# Altium PCB 智能马桶综合检测台_数据板V1.0.PcbDoc (part 4 of 8)
Units mil, origin at the board's own origin, x right, y up, seen from the top; angles counter-clockwise.
Board outline 5580 x 4007.36 mil, 2 copper layers (Top Layer, Bottom Layer); 109 components, 92 nets, 426 pads, 50 vias.
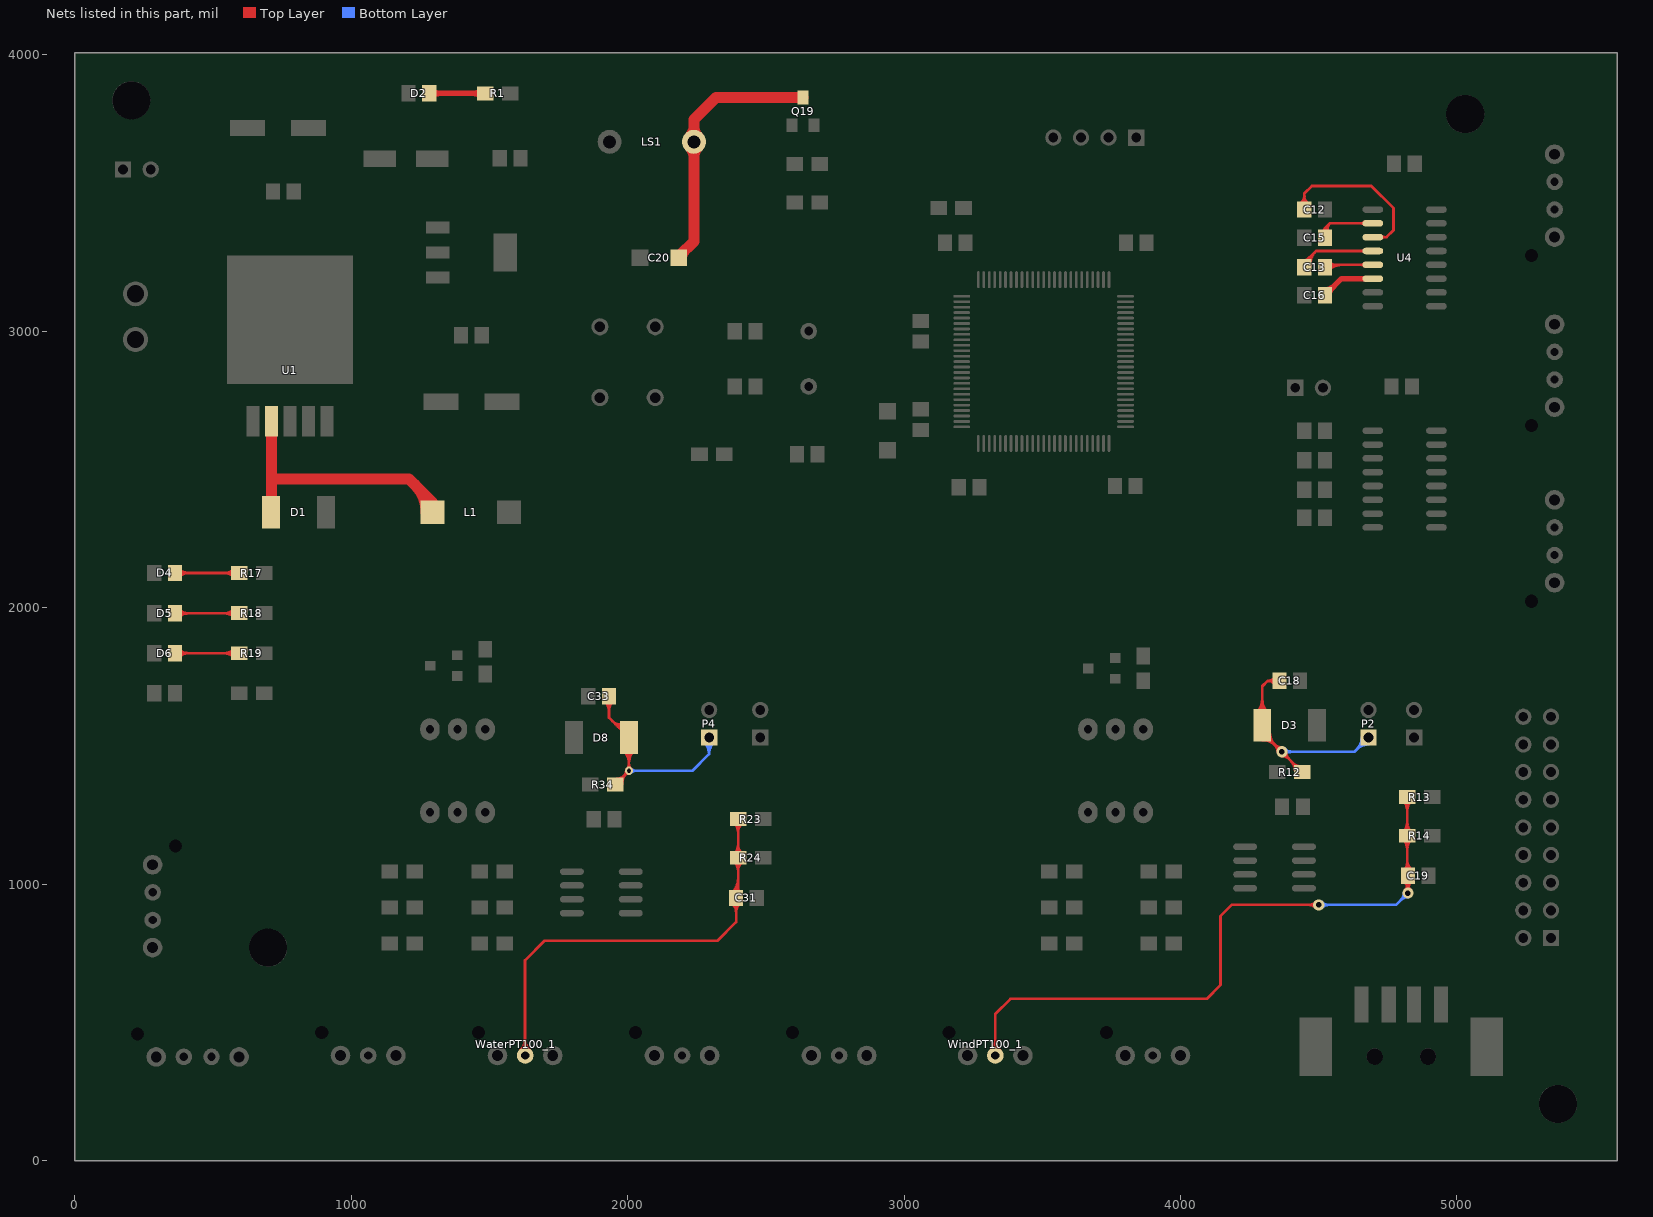
[diagram p4: the nets of this part, all layers, seen from the top]

## Via types
v1: diameter 30, hole 15, Top Layer to Bottom Layer, 31 vias
v2: diameter 40, hole 20, Top Layer to Bottom Layer, 19 vias

## Nets (pads, with @x,y where several pads share a name; then routed paths per layer and width w, separated by ;. In a path a pad name is that pad's centre, name@x,y a point inside that pad or via, vN(x,y) a via of type N, cw(c..) or ccw(c..) an arc to the next point about the centre after c; other vN are vias at no path point) (continued)
NetC12_2: C12.2 U4.3 | length 1212.7
  Top Layer w10: C12.2@4447.6,3440 4447.6,3497.6 4475,3525 4690,3525 4770,3445 4770,3365 4745,3340 U4.3@4695.63,3340 ; C12.2@4433.04,3458.5 ccw(c4397.89,3493.65) 4447.6,3493.65 ; C12.2@4433.04,3458.5 ccw(c4397.89,3493.65) 4447.6,3493.65 ; C12.2@4433.04,3458.5 ccw(c4397.89,3493.65) 4447.6,3493.65 ; C12.2@4433.04,3458.5 ccw(c4397.89,3493.65) 4447.6,3493.65 ; C12.2@4433.04,3458.5 ccw(c4397.89,3493.65) 4447.6,3493.65 ; C12.2@4433.04,3458.5 ccw(c4397.89,3493.65) 4447.6,3493.65 ; 4447.6,3493.65 ccw(c4497.31,3493.65) C12.2@4462.16,3458.5 ; 4447.6,3493.65 ccw(c4497.31,3493.65) C12.2@4462.16,3458.5 ; 4447.6,3493.65 ccw(c4497.31,3493.65) C12.2@4462.16,3458.5 ; 4447.6,3493.65 ccw(c4497.31,3493.65) C12.2@4462.16,3458.5 ; 4447.6,3493.65 ccw(c4497.31,3493.65) C12.2@4462.16,3458.5 ; 4447.6,3493.65 ccw(c4497.31,3493.65) C12.2@4462.16,3458.5 ; U4.3@4726.04,3335.18 cw(c4737.66,3323.56) 4737.66,3340 ; U4.3@4726.04,3335.18 cw(c4737.66,3323.56) 4737.66,3340 ; U4.3@4726.04,3335.18 cw(c4737.66,3323.56) 4737.66,3340 ; U4.3@4726.04,3335.18 cw(c4737.66,3323.56) 4737.66,3340 ; U4.3@4726.04,3335.18 cw(c4737.66,3323.56) 4737.66,3340 ; U4.3@4726.04,3335.18 cw(c4737.66,3323.56) 4737.66,3340 ; U4.3@4726.04,3344.82 ccw(c4737.66,3356.44) 4737.66,3340 ; U4.3@4726.04,3344.82 ccw(c4737.66,3356.44) 4737.66,3340 ; U4.3@4726.04,3344.82 ccw(c4737.66,3356.44) 4737.66,3340 ; U4.3@4726.04,3344.82 ccw(c4737.66,3356.44) 4737.66,3340 ; U4.3@4726.04,3344.82 ccw(c4737.66,3356.44) 4737.66,3340 ; U4.3@4726.04,3344.82 ccw(c4737.66,3356.44) 4737.66,3340
NetC13_1: C13.1 U4.4 | length 1158.1
  Top Layer w10: C13.1@4447.6,3216.67 4447.6,3247.6 4490,3290 ; U4.4@4695.63,3290 4490,3290 ; C13.1@4447.6,3256.19 ccw(c4447.6,3276.95) 4462.27,3262.27 ; C13.1@4447.6,3256.19 ccw(c4447.6,3276.95) 4462.27,3262.27 ; C13.1@4447.6,3256.19 ccw(c4447.6,3276.95) 4462.27,3262.27 ; C13.1@4447.6,3256.19 ccw(c4447.6,3276.95) 4462.27,3262.27 ; C13.1@4447.6,3256.19 ccw(c4447.6,3276.95) 4462.27,3262.27 ; C13.1@4447.6,3256.19 ccw(c4447.6,3276.95) 4462.27,3262.27 ; C13.1@4458.19,3235.79 cw(c4509.98,3236.72) 4473.35,3273.35 ; C13.1@4458.19,3235.79 cw(c4509.98,3236.72) 4473.35,3273.35 ; C13.1@4458.19,3235.79 cw(c4509.98,3236.72) 4473.35,3273.35 ; C13.1@4458.19,3235.79 cw(c4509.98,3236.72) 4473.35,3273.35 ; C13.1@4458.19,3235.79 cw(c4509.98,3236.72) 4473.35,3273.35 ; C13.1@4458.19,3235.79 cw(c4509.98,3236.72) 4473.35,3273.35 ; C13.1@4468.19,3235.97 cw(c4542.69,3237.31) 4490,3290 ; C13.1@4468.19,3235.97 cw(c4542.69,3237.31) 4490,3290 ; C13.1@4468.19,3235.97 cw(c4542.69,3237.31) 4490,3290 ; C13.1@4468.19,3235.97 cw(c4542.69,3237.31) 4490,3290 ; C13.1@4468.19,3235.97 cw(c4542.69,3237.31) 4490,3290 ; C13.1@4468.19,3235.97 cw(c4542.69,3237.31) 4490,3290 ; 4653.6,3290 cw(c4653.6,3273.56) U4.4@4665.22,3285.18 ; 4653.6,3290 ccw(c4653.6,3306.44) U4.4@4665.22,3294.82 ; 4653.6,3290 ccw(c4653.6,3306.44) U4.4@4665.22,3294.82 ; 4653.6,3290 cw(c4653.6,3273.56) U4.4@4665.22,3285.18 ; 4653.6,3290 ccw(c4653.6,3306.44) U4.4@4665.22,3294.82 ; 4653.6,3290 cw(c4653.6,3273.56) U4.4@4665.22,3285.18 ; 4653.6,3290 ccw(c4653.6,3306.44) U4.4@4665.22,3294.82 ; 4653.6,3290 cw(c4653.6,3273.56) U4.4@4665.22,3285.18 ; 4653.6,3290 ccw(c4653.6,3306.44) U4.4@4665.22,3294.82 ; 4653.6,3290 cw(c4653.6,3273.56) U4.4@4665.22,3285.18 ; 4653.6,3290 ccw(c4653.6,3306.44) U4.4@4665.22,3294.82 ; 4653.6,3290 cw(c4653.6,3273.56) U4.4@4665.22,3285.18
NetC13_2: C13.2 U4.5 | length 975.3
  Top Layer w10: C13.2@4535,3240 U4.5@4695.63,3240 ; C13.2@4529.89,3228.11 cw(c4558.58,3199.42) 4558.58,3240 ; C13.2@4529.89,3228.11 cw(c4558.58,3199.42) 4558.58,3240 ; C13.2@4529.89,3228.11 cw(c4558.58,3199.42) 4558.58,3240 ; C13.2@4529.89,3228.11 cw(c4558.58,3199.42) 4558.58,3240 ; C13.2@4529.89,3228.11 cw(c4558.58,3199.42) 4558.58,3240 ; C13.2@4529.89,3228.11 cw(c4558.58,3199.42) 4558.58,3240 ; C13.2@4536.96,3221.04 cw(c4582.73,3175.28) 4582.73,3240 ; C13.2@4536.96,3221.04 cw(c4582.73,3175.28) 4582.73,3240 ; C13.2@4536.96,3221.04 cw(c4582.73,3175.28) 4582.73,3240 ; C13.2@4536.96,3221.04 cw(c4582.73,3175.28) 4582.73,3240 ; C13.2@4536.96,3221.04 cw(c4582.73,3175.28) 4582.73,3240 ; C13.2@4536.96,3221.04 cw(c4582.73,3175.28) 4582.73,3240 ; C13.2@4536.96,3250.16 ccw(c4561.5,3274.7) 4561.5,3240 ; C13.2@4536.96,3250.16 ccw(c4561.5,3274.7) 4561.5,3240 ; C13.2@4536.96,3250.16 ccw(c4561.5,3274.7) 4561.5,3240 ; C13.2@4536.96,3250.16 ccw(c4561.5,3274.7) 4561.5,3240 ; C13.2@4536.96,3250.16 ccw(c4561.5,3274.7) 4561.5,3240 ; C13.2@4536.96,3250.16 ccw(c4561.5,3274.7) 4561.5,3240 ; 4653.6,3240 cw(c4653.6,3223.56) U4.5@4665.22,3235.18 ; 4653.6,3240 ccw(c4653.6,3256.44) U4.5@4665.22,3244.82 ; 4653.6,3240 ccw(c4653.6,3256.44) U4.5@4665.22,3244.82 ; 4653.6,3240 cw(c4653.6,3223.56) U4.5@4665.22,3235.18 ; 4653.6,3240 ccw(c4653.6,3256.44) U4.5@4665.22,3244.82 ; 4653.6,3240 cw(c4653.6,3223.56) U4.5@4665.22,3235.18 ; 4653.6,3240 ccw(c4653.6,3256.44) U4.5@4665.22,3244.82 ; 4653.6,3240 cw(c4653.6,3223.56) U4.5@4665.22,3235.18 ; 4653.6,3240 ccw(c4653.6,3256.44) U4.5@4665.22,3244.82 ; 4653.6,3240 cw(c4653.6,3223.56) U4.5@4665.22,3235.18 ; 4653.6,3240 ccw(c4653.6,3256.44) U4.5@4665.22,3244.82 ; 4653.6,3240 cw(c4653.6,3223.56) U4.5@4665.22,3235.18
NetC15_2: C15.2 U4.2 | length 1204.8
  Top Layer w10: C15.2@4522.4,3328.33 4522.4,3372.4 ; U4.2@4695.63,3390 4540,3390 ; C15.2@4514.92,3361.45 ccw(c4510.65,3372.4) 4522.4,3372.4 ; C15.2@4514.92,3361.45 ccw(c4510.65,3372.4) 4522.4,3372.4 ; C15.2@4514.92,3361.45 ccw(c4510.65,3372.4) 4522.4,3372.4 ; C15.2@4514.92,3361.45 ccw(c4510.65,3372.4) 4522.4,3372.4 ; C15.2@4514.92,3361.45 ccw(c4510.65,3372.4) 4522.4,3372.4 ; C15.2@4514.92,3361.45 ccw(c4510.65,3372.4) 4522.4,3372.4 ; 4522.4,3372.4 ccw(c4534.15,3372.4) C15.2@4529.88,3361.45 ; 4522.4,3372.4 ccw(c4534.15,3372.4) C15.2@4529.88,3361.45 ; 4522.4,3372.4 ccw(c4534.15,3372.4) C15.2@4529.88,3361.45 ; 4522.4,3372.4 ccw(c4534.15,3372.4) C15.2@4529.88,3361.45 ; 4522.4,3372.4 ccw(c4534.15,3372.4) C15.2@4529.88,3361.45 ; 4522.4,3372.4 ccw(c4534.15,3372.4) C15.2@4529.88,3361.45 ; 4522.4,3372.4 4540,3390 ; C15.2@4522.86,3342.65 cw(c4541.14,3357.67) 4524.41,3374.41 ; C15.2@4522.86,3342.65 cw(c4541.14,3357.67) 4524.41,3374.41 ; C15.2@4522.86,3342.65 cw(c4541.14,3357.67) 4524.41,3374.41 ; C15.2@4522.86,3342.65 cw(c4541.14,3357.67) 4524.41,3374.41 ; C15.2@4522.86,3342.65 cw(c4541.14,3357.67) 4524.41,3374.41 ; C15.2@4522.86,3342.65 cw(c4541.14,3357.67) 4524.41,3374.41 ; C15.2@4530.58,3348.99 cw(c4549.7,3364.71) 4532.2,3382.2 ; C15.2@4530.58,3348.99 cw(c4549.7,3364.71) 4532.2,3382.2 ; C15.2@4530.58,3348.99 cw(c4549.7,3364.71) 4532.2,3382.2 ; C15.2@4530.58,3348.99 cw(c4549.7,3364.71) 4532.2,3382.2 ; C15.2@4530.58,3348.99 cw(c4549.7,3364.71) 4532.2,3382.2 ; C15.2@4530.58,3348.99 cw(c4549.7,3364.71) 4532.2,3382.2 ; C15.2@4538.31,3355.34 cw(c4558.26,3371.74) 4540,3390 ; C15.2@4538.31,3355.34 cw(c4558.26,3371.74) 4540,3390 ; C15.2@4538.31,3355.34 cw(c4558.26,3371.74) 4540,3390 ; C15.2@4538.31,3355.34 cw(c4558.26,3371.74) 4540,3390 ; C15.2@4538.31,3355.34 cw(c4558.26,3371.74) 4540,3390 ; C15.2@4538.31,3355.34 cw(c4558.26,3371.74) 4540,3390 ; 4653.6,3390 cw(c4653.6,3373.56) U4.2@4665.22,3385.18 ; 4653.6,3390 ccw(c4653.6,3406.44) U4.2@4665.22,3394.82 ; 4653.6,3390 ccw(c4653.6,3406.44) U4.2@4665.22,3394.82 ; 4653.6,3390 cw(c4653.6,3373.56) U4.2@4665.22,3385.18 ; 4653.6,3390 ccw(c4653.6,3406.44) U4.2@4665.22,3394.82 ; 4653.6,3390 cw(c4653.6,3373.56) U4.2@4665.22,3385.18 ; 4653.6,3390 ccw(c4653.6,3406.44) U4.2@4665.22,3394.82 ; 4653.6,3390 cw(c4653.6,3373.56) U4.2@4665.22,3385.18 ; 4653.6,3390 ccw(c4653.6,3406.44) U4.2@4665.22,3394.82 ; 4653.6,3390 cw(c4653.6,3373.56) U4.2@4665.22,3385.18 ; 4653.6,3390 ccw(c4653.6,3406.44) U4.2@4665.22,3394.82 ; 4653.6,3390 cw(c4653.6,3373.56) U4.2@4665.22,3385.18
NetC16_2: C16.2 U4.6 | length 552.8
  Top Layer w20: C16.2@4522.4,3130 4582.4,3190 U4.6@4695.63,3190 ; C16.2@4522.4,3149.53 ccw(c4522.4,3196.67) 4555.74,3163.34 ; C16.2@4522.4,3149.53 ccw(c4522.4,3196.67) 4555.74,3163.34 ; C16.2@4522.4,3149.53 ccw(c4522.4,3196.67) 4555.74,3163.34 ; C16.2@4522.4,3149.53 ccw(c4522.4,3196.67) 4555.74,3163.34 ; C16.2@4522.4,3149.53 ccw(c4522.4,3196.67) 4555.74,3163.34 ; C16.2@4522.4,3149.53 ccw(c4522.4,3196.67) 4555.74,3163.34 ; C16.2@4537.99,3133.94 cw(c4566.13,3133.94) C16.2@4546.23,3153.83 ; C16.2@4537.99,3133.94 cw(c4566.13,3133.94) C16.2@4546.23,3153.83 ; C16.2@4537.99,3133.94 cw(c4566.13,3133.94) C16.2@4546.23,3153.83 ; C16.2@4537.99,3133.94 cw(c4566.13,3133.94) C16.2@4546.23,3153.83 ; C16.2@4537.99,3133.94 cw(c4566.13,3133.94) C16.2@4546.23,3153.83 ; C16.2@4537.99,3133.94 cw(c4566.13,3133.94) C16.2@4546.23,3153.83
NetC18_2: C18.2 D3.2 P2.1 R12.1 | length 5724.6
  Top Layer w10: C18.2@4357.6,1735 4315,1735 ; R12.1@4440,1405 4295.59,1549.41 4295.59,1715.59 4315,1735 ; D3.2@4276.16,1621.01 ccw(c4229.25,1667.92) 4295.59,1667.92 ; D3.2@4276.16,1621.01 ccw(c4229.25,1667.92) 4295.59,1667.92 ; D3.2@4276.16,1621.01 ccw(c4229.25,1667.92) 4295.59,1667.92 ; D3.2@4276.16,1621.01 ccw(c4229.25,1667.92) 4295.59,1667.92 ; D3.2@4276.16,1621.01 ccw(c4229.25,1667.92) 4295.59,1667.92 ; D3.2@4276.16,1621.01 ccw(c4229.25,1667.92) 4295.59,1667.92 ; D3.2@4283.23,1613.94 ccw(c4253.39,1643.78) 4295.59,1643.78 ; D3.2@4283.23,1613.94 ccw(c4253.39,1643.78) 4295.59,1643.78 ; D3.2@4283.23,1613.94 ccw(c4253.39,1643.78) 4295.59,1643.78 ; D3.2@4283.23,1613.94 ccw(c4253.39,1643.78) 4295.59,1643.78 ; D3.2@4283.23,1613.94 ccw(c4253.39,1643.78) 4295.59,1643.78 ; D3.2@4283.23,1613.94 ccw(c4253.39,1643.78) 4295.59,1643.78 ; D3.2@4295.59,1520.94 cw(c4295.59,1452.23) 4344.18,1500.82 ; D3.2@4295.59,1520.94 cw(c4295.59,1452.23) 4344.18,1500.82 ; D3.2@4295.59,1520.94 cw(c4295.59,1452.23) 4344.18,1500.82 ; D3.2@4295.59,1520.94 cw(c4295.59,1452.23) 4344.18,1500.82 ; D3.2@4295.59,1520.94 cw(c4295.59,1452.23) 4344.18,1500.82 ; D3.2@4295.59,1520.94 cw(c4295.59,1452.23) 4344.18,1500.82 ; D3.2@4295.59,1530.94 cw(c4295.59,1486.37) D3.2@4327.11,1517.89 ; D3.2@4295.59,1530.94 cw(c4295.59,1486.37) D3.2@4327.11,1517.89 ; D3.2@4295.59,1530.94 cw(c4295.59,1486.37) D3.2@4327.11,1517.89 ; D3.2@4295.59,1530.94 cw(c4295.59,1486.37) D3.2@4327.11,1517.89 ; D3.2@4295.59,1530.94 cw(c4295.59,1486.37) D3.2@4327.11,1517.89 ; D3.2@4295.59,1530.94 cw(c4295.59,1486.37) D3.2@4327.11,1517.89 ; 4295.59,1643.78 ccw(c4337.79,1643.78) D3.2@4307.95,1613.94 ; 4295.59,1643.78 ccw(c4337.79,1643.78) D3.2@4307.95,1613.94 ; 4295.59,1643.78 ccw(c4337.79,1643.78) D3.2@4307.95,1613.94 ; 4295.59,1643.78 ccw(c4337.79,1643.78) D3.2@4307.95,1613.94 ; 4295.59,1643.78 ccw(c4337.79,1643.78) D3.2@4307.95,1613.94 ; 4295.59,1643.78 ccw(c4337.79,1643.78) D3.2@4307.95,1613.94 ; 4295.59,1667.92 ccw(c4361.93,1667.92) D3.2@4315.02,1621.01 ; 4295.59,1667.92 ccw(c4361.93,1667.92) D3.2@4315.02,1621.01 ; 4295.59,1667.92 ccw(c4361.93,1667.92) D3.2@4315.02,1621.01 ; 4295.59,1667.92 ccw(c4361.93,1667.92) D3.2@4315.02,1621.01 ; 4295.59,1667.92 ccw(c4361.93,1667.92) D3.2@4315.02,1621.01 ; 4295.59,1667.92 ccw(c4361.93,1667.92) D3.2@4315.02,1621.01 ; D3.2@4313.07,1548.43 ccw(c4352.9,1548.43) D3.2@4324.74,1520.26 ; D3.2@4313.07,1548.43 ccw(c4352.9,1548.43) D3.2@4324.74,1520.26 ; D3.2@4313.07,1548.43 ccw(c4352.9,1548.43) D3.2@4324.74,1520.26 ; D3.2@4313.07,1548.43 ccw(c4352.9,1548.43) D3.2@4324.74,1520.26 ; D3.2@4313.07,1548.43 ccw(c4352.9,1548.43) D3.2@4324.74,1520.26 ; D3.2@4313.07,1548.43 ccw(c4352.9,1548.43) D3.2@4324.74,1520.26 ; 4315,1735 cw(c4315,1701.23) C18.2@4341.46,1722.21 ; 4315,1735 ccw(c4315,1768.77) C18.2@4341.46,1747.79 ; 4315,1735 ccw(c4315,1768.77) C18.2@4341.46,1747.79 ; 4315,1735 cw(c4315,1701.23) C18.2@4341.46,1722.21 ; 4315,1735 ccw(c4315,1768.77) C18.2@4341.46,1747.79 ; 4315,1735 cw(c4315,1701.23) C18.2@4341.46,1722.21 ; 4315,1735 ccw(c4315,1768.77) C18.2@4341.46,1747.79 ; 4315,1735 cw(c4315,1701.23) C18.2@4341.46,1722.21 ; 4315,1735 ccw(c4315,1768.77) C18.2@4341.46,1747.79 ; 4315,1735 cw(c4315,1701.23) C18.2@4341.46,1722.21 ; 4315,1735 ccw(c4315,1768.77) C18.2@4341.46,1747.79 ; 4315,1735 cw(c4315,1701.23) C18.2@4341.46,1722.21 ; D3.2@4323.07,1548.43 ccw(c4387.04,1548.43) 4341.81,1503.19 ; D3.2@4323.07,1548.43 ccw(c4387.04,1548.43) 4341.81,1503.19 ; D3.2@4323.07,1548.43 ccw(c4387.04,1548.43) 4341.81,1503.19 ; D3.2@4323.07,1548.43 ccw(c4387.04,1548.43) 4341.81,1503.19 ; D3.2@4323.07,1548.43 ccw(c4387.04,1548.43) 4341.81,1503.19 ; D3.2@4323.07,1548.43 ccw(c4387.04,1548.43) 4341.81,1503.19 ; 4340.68,1504.32 cw(c4315.07,1478.72) v2@4351.28,1478.72 ; 4340.68,1504.32 ccw(c4366.28,1529.93) v2@4366.28,1493.72 ; 4340.68,1504.32 ccw(c4366.28,1529.93) v2@4366.28,1493.72 ; 4340.68,1504.32 cw(c4315.07,1478.72) v2@4351.28,1478.72 ; 4340.68,1504.32 ccw(c4366.28,1529.93) v2@4366.28,1493.72 ; 4340.68,1504.32 cw(c4315.07,1478.72) v2@4351.28,1478.72 ; 4340.68,1504.32 ccw(c4366.28,1529.93) v2@4366.28,1493.72 ; 4340.68,1504.32 cw(c4315.07,1478.72) v2@4351.28,1478.72 ; 4340.68,1504.32 ccw(c4366.28,1529.93) v2@4366.28,1493.72 ; 4340.68,1504.32 cw(c4315.07,1478.72) v2@4351.28,1478.72 ; 4340.68,1504.32 ccw(c4366.28,1529.93) v2@4366.28,1493.72 ; 4340.68,1504.32 cw(c4315.07,1478.72) v2@4351.28,1478.72 ; v2@4366.28,1463.72 cw(c4366.28,1427.5) 4391.89,1453.11 ; v2@4366.28,1463.72 cw(c4366.28,1427.5) 4391.89,1453.11 ; v2@4366.28,1463.72 cw(c4366.28,1427.5) 4391.89,1453.11 ; v2@4366.28,1463.72 cw(c4366.28,1427.5) 4391.89,1453.11 ; v2@4366.28,1463.72 cw(c4366.28,1427.5) 4391.89,1453.11 ; v2@4366.28,1463.72 cw(c4366.28,1427.5) 4391.89,1453.11 ; v2@4381.28,1478.72 ccw(c4417.5,1478.72) 4391.89,1453.11 ; v2@4381.28,1478.72 ccw(c4417.5,1478.72) 4391.89,1453.11 ; v2@4381.28,1478.72 ccw(c4417.5,1478.72) 4391.89,1453.11 ; v2@4381.28,1478.72 ccw(c4417.5,1478.72) 4391.89,1453.11 ; v2@4381.28,1478.72 ccw(c4417.5,1478.72) 4391.89,1453.11 ; v2@4381.28,1478.72 ccw(c4417.5,1478.72) 4391.89,1453.11 ; 4397.32,1447.68 cw(c4354.64,1405) R12.1@4415,1405 ; 4397.32,1447.68 cw(c4354.64,1405) R12.1@4415,1405 ; 4397.32,1447.68 cw(c4354.64,1405) R12.1@4415,1405 ; 4397.32,1447.68 cw(c4354.64,1405) R12.1@4415,1405 ; 4397.32,1447.68 cw(c4354.64,1405) R12.1@4415,1405 ; 4397.32,1447.68 cw(c4354.64,1405) R12.1@4415,1405 ; 4409.39,1435.61 ccw(c4435,1461.21) R12.1@4435,1425 ; 4409.39,1435.61 ccw(c4435,1461.21) R12.1@4435,1425 ; 4409.39,1435.61 ccw(c4435,1461.21) R12.1@4435,1425 ; 4409.39,1435.61 ccw(c4435,1461.21) R12.1@4435,1425 ; 4409.39,1435.61 ccw(c4435,1461.21) R12.1@4435,1425 ; 4409.39,1435.61 ccw(c4435,1461.21) R12.1@4435,1425 ; 4414.39,1430.61 cw(c4388.79,1405) R12.1@4425,1405 ; 4414.39,1430.61 cw(c4388.79,1405) R12.1@4425,1405 ; 4414.39,1430.61 cw(c4388.79,1405) R12.1@4425,1405 ; 4414.39,1430.61 cw(c4388.79,1405) R12.1@4425,1405 ; 4414.39,1430.61 cw(c4388.79,1405) R12.1@4425,1405 ; 4414.39,1430.61 cw(c4388.79,1405) R12.1@4425,1405
  Bottom Layer w10: v2(4366.28,1478.72) 4628.72,1478.72 P2.1@4680,1530 ; v2@4376.89,1468.11 cw(c4402.5,1442.5) 4402.5,1478.72 ; v2@4376.89,1468.11 cw(c4402.5,1442.5) 4402.5,1478.72 ; v2@4376.89,1468.11 cw(c4402.5,1442.5) 4402.5,1478.72 ; v2@4376.89,1468.11 cw(c4402.5,1442.5) 4402.5,1478.72 ; v2@4376.89,1468.11 cw(c4402.5,1442.5) 4402.5,1478.72 ; v2@4376.89,1468.11 cw(c4402.5,1442.5) 4402.5,1478.72 ; v2@4376.89,1489.32 ccw(c4402.5,1514.93) 4402.5,1478.72 ; v2@4376.89,1489.32 ccw(c4402.5,1514.93) 4402.5,1478.72 ; v2@4376.89,1489.32 ccw(c4402.5,1514.93) 4402.5,1478.72 ; v2@4376.89,1489.32 ccw(c4402.5,1514.93) 4402.5,1478.72 ; v2@4376.89,1489.32 ccw(c4402.5,1514.93) 4402.5,1478.72 ; v2@4376.89,1489.32 ccw(c4402.5,1514.93) 4402.5,1478.72 ; 4638.13,1488.13 cw(c4680,1446.26) P2.1@4680,1505.47 ; 4638.13,1488.13 ccw(c4596.26,1530) P2.1@4655.47,1530 ; 4638.13,1488.13 ccw(c4596.26,1530) P2.1@4655.47,1530 ; 4638.13,1488.13 cw(c4680,1446.26) P2.1@4680,1505.47 ; 4638.13,1488.13 ccw(c4596.26,1530) P2.1@4655.47,1530 ; 4638.13,1488.13 cw(c4680,1446.26) P2.1@4680,1505.47 ; 4638.13,1488.13 ccw(c4596.26,1530) P2.1@4655.47,1530 ; 4638.13,1488.13 cw(c4680,1446.26) P2.1@4680,1505.47 ; 4638.13,1488.13 ccw(c4596.26,1530) P2.1@4655.47,1530 ; 4638.13,1488.13 cw(c4680,1446.26) P2.1@4680,1505.47 ; 4638.13,1488.13 ccw(c4596.26,1530) P2.1@4655.47,1530 ; 4638.13,1488.13 cw(c4680,1446.26) P2.1@4680,1505.47 ; P2.1@4655.2,1505.2 cw(c4680,1480.4) P2.1@4680,1515.47 ; P2.1@4655.2,1505.2 ccw(c4630.4,1530) P2.1@4665.47,1530 ; P2.1@4655.2,1505.2 ccw(c4630.4,1530) P2.1@4665.47,1530 ; P2.1@4655.2,1505.2 cw(c4680,1480.4) P2.1@4680,1515.47 ; P2.1@4655.2,1505.2 ccw(c4630.4,1530) P2.1@4665.47,1530 ; P2.1@4655.2,1505.2 cw(c4680,1480.4) P2.1@4680,1515.47 ; P2.1@4655.2,1505.2 ccw(c4630.4,1530) P2.1@4665.47,1530 ; P2.1@4655.2,1505.2 cw(c4680,1480.4) P2.1@4680,1515.47 ; P2.1@4655.2,1505.2 ccw(c4630.4,1530) P2.1@4665.47,1530 ; P2.1@4655.2,1505.2 cw(c4680,1480.4) P2.1@4680,1515.47 ; P2.1@4655.2,1505.2 ccw(c4630.4,1530) P2.1@4665.47,1530 ; P2.1@4655.2,1505.2 cw(c4680,1480.4) P2.1@4680,1515.47
NetC19_1: C19.1 R13.1 R14.2 WindPT100_1.2 | length 7058.6
  Top Layer w10: WindPT100_1.2@3330,380 3330,530 3385,585 4095,585 4145,635 4145,885 4185,925 v2(4500,925) ; R13.1@4820,1315 4820,1032.6 C19.1@4822.6,1030 v2(4822.6,967.6) ; WindPT100_1.2@3312.32,397.68 ccw(c3269.64,440.36) 3330,440.36 ; WindPT100_1.2@3312.32,397.68 ccw(c3269.64,440.36) 3330,440.36 ; WindPT100_1.2@3312.32,397.68 ccw(c3269.64,440.36) 3330,440.36 ; WindPT100_1.2@3312.32,397.68 ccw(c3269.64,440.36) 3330,440.36 ; WindPT100_1.2@3312.32,397.68 ccw(c3269.64,440.36) 3330,440.36 ; WindPT100_1.2@3312.32,397.68 ccw(c3269.64,440.36) 3330,440.36 ; WindPT100_1.2@3319.39,390.61 ccw(c3293.79,416.21) 3330,416.21 ; WindPT100_1.2@3319.39,390.61 ccw(c3293.79,416.21) 3330,416.21 ; WindPT100_1.2@3319.39,390.61 ccw(c3293.79,416.21) 3330,416.21 ; WindPT100_1.2@3319.39,390.61 ccw(c3293.79,416.21) 3330,416.21 ; WindPT100_1.2@3319.39,390.61 ccw(c3293.79,416.21) 3330,416.21 ; WindPT100_1.2@3319.39,390.61 ccw(c3293.79,416.21) 3330,416.21 ; 3330,416.21 ccw(c3366.21,416.21) WindPT100_1.2@3340.61,390.61 ; 3330,416.21 ccw(c3366.21,416.21) WindPT100_1.2@3340.61,390.61 ; 3330,416.21 ccw(c3366.21,416.21) WindPT100_1.2@3340.61,390.61 ; 3330,416.21 ccw(c3366.21,416.21) WindPT100_1.2@3340.61,390.61 ; 3330,416.21 ccw(c3366.21,416.21) WindPT100_1.2@3340.61,390.61 ; 3330,416.21 ccw(c3366.21,416.21) WindPT100_1.2@3340.61,390.61 ; 3330,440.36 ccw(c3390.36,440.36) WindPT100_1.2@3347.68,397.68 ; 3330,440.36 ccw(c3390.36,440.36) WindPT100_1.2@3347.68,397.68 ; 3330,440.36 ccw(c3390.36,440.36) WindPT100_1.2@3347.68,397.68 ; 3330,440.36 ccw(c3390.36,440.36) WindPT100_1.2@3347.68,397.68 ; 3330,440.36 ccw(c3390.36,440.36) WindPT100_1.2@3347.68,397.68 ; 3330,440.36 ccw(c3390.36,440.36) WindPT100_1.2@3347.68,397.68 ; 4463.79,925 cw(c4463.79,888.79) v2@4489.39,914.39 ; 4463.79,925 ccw(c4463.79,961.21) v2@4489.39,935.61 ; 4463.79,925 ccw(c4463.79,961.21) v2@4489.39,935.61 ; 4463.79,925 cw(c4463.79,888.79) v2@4489.39,914.39 ; 4463.79,925 ccw(c4463.79,961.21) v2@4489.39,935.61 ; 4463.79,925 cw(c4463.79,888.79) v2@4489.39,914.39 ; 4463.79,925 ccw(c4463.79,961.21) v2@4489.39,935.61 ; 4463.79,925 cw(c4463.79,888.79) v2@4489.39,914.39 ; 4463.79,925 ccw(c4463.79,961.21) v2@4489.39,935.61 ; 4463.79,925 cw(c4463.79,888.79) v2@4489.39,914.39 ; 4463.79,925 ccw(c4463.79,961.21) v2@4489.39,935.61 ; 4463.79,925 cw(c4463.79,888.79) v2@4489.39,914.39 ; R14.2@4805.86,1160.86 cw(c4771.72,1126.72) 4820,1126.72 ; R14.2@4805.86,1160.86 cw(c4771.72,1126.72) 4820,1126.72 ; R14.2@4805.86,1160.86 cw(c4771.72,1126.72) 4820,1126.72 ; R14.2@4805.86,1160.86 cw(c4771.72,1126.72) 4820,1126.72 ; R14.2@4805.86,1160.86 cw(c4771.72,1126.72) 4820,1126.72 ; R14.2@4805.86,1160.86 cw(c4771.72,1126.72) 4820,1126.72 ; R14.2@4805.86,1189.14 ccw(c4771.72,1223.28) 4820,1223.28 ; R14.2@4805.86,1189.14 ccw(c4771.72,1223.28) 4820,1223.28 ; R14.2@4805.86,1189.14 ccw(c4771.72,1223.28) 4820,1223.28 ; R14.2@4805.86,1189.14 ccw(c4771.72,1223.28) 4820,1223.28 ; R14.2@4805.86,1189.14 ccw(c4771.72,1223.28) 4820,1223.28 ; R14.2@4805.86,1189.14 ccw(c4771.72,1223.28) 4820,1223.28 ; R13.1@4805.86,1300.86 cw(c4771.72,1266.72) 4820,1266.72 ; R13.1@4805.86,1300.86 cw(c4771.72,1266.72) 4820,1266.72 ; R13.1@4805.86,1300.86 cw(c4771.72,1266.72) 4820,1266.72 ; R13.1@4805.86,1300.86 cw(c4771.72,1266.72) 4820,1266.72 ; R13.1@4805.86,1300.86 cw(c4771.72,1266.72) 4820,1266.72 ; R13.1@4805.86,1300.86 cw(c4771.72,1266.72) 4820,1266.72 ; C19.1@4808.04,1011.5 cw(c4772.89,976.35) v2@4822.6,976.35 ; C19.1@4808.04,1011.5 cw(c4772.89,976.35) v2@4822.6,976.35 ; C19.1@4808.04,1011.5 cw(c4772.89,976.35) v2@4822.6,976.35 ; C19.1@4808.04,1011.5 cw(c4772.89,976.35) v2@4822.6,976.35 ; C19.1@4808.04,1011.5 cw(c4772.89,976.35) v2@4822.6,976.35 ; C19.1@4808.04,1011.5 cw(c4772.89,976.35) v2@4822.6,976.35 ; C19.1@4808.04,1048.5 ccw(c4779.16,1077.37) 4820,1077.37 ; C19.1@4808.04,1048.5 ccw(c4779.16,1077.37) 4820,1077.37 ; C19.1@4808.04,1048.5 ccw(c4779.16,1077.37) 4820,1077.37 ; C19.1@4808.04,1048.5 ccw(c4779.16,1077.37) 4820,1077.37 ; C19.1@4808.04,1048.5 ccw(c4779.16,1077.37) 4820,1077.37 ; C19.1@4808.04,1048.5 ccw(c4779.16,1077.37) 4820,1077.37 ; v2@4811.99,978.21 ccw(c4786.39,1003.81) C19.1@4822.6,1003.81 ; v2@4811.99,978.21 ccw(c4786.39,1003.81) C19.1@4822.6,1003.81 ; v2@4811.99,978.21 ccw(c4786.39,1003.81) C19.1@4822.6,1003.81 ; v2@4811.99,978.21 ccw(c4786.39,1003.81) C19.1@4822.6,1003.81 ; v2@4811.99,978.21 ccw(c4786.39,1003.81) C19.1@4822.6,1003.81 ; v2@4811.99,978.21 ccw(c4786.39,1003.81) C19.1@4822.6,1003.81 ; 4820,1065.78 ccw(c4854.44,1065.78) C19.1@4830.09,1041.43 ; 4820,1065.78 ccw(c4854.44,1065.78) C19.1@4830.09,1041.43 ; 4820,1065.78 ccw(c4854.44,1065.78) C19.1@4830.09,1041.43 ; 4820,1065.78 ccw(c4854.44,1065.78) C19.1@4830.09,1041.43 ; 4820,1065.78 ccw(c4854.44,1065.78) C19.1@4830.09,1041.43 ; 4820,1065.78 ccw(c4854.44,1065.78) C19.1@4830.09,1041.43 ; 4820,1089.92 ccw(c4878.58,1089.92) C19.1@4837.16,1048.5 ; 4820,1089.92 ccw(c4878.58,1089.92) C19.1@4837.16,1048.5 ; 4820,1089.92 ccw(c4878.58,1089.92) C19.1@4837.16,1048.5 ; 4820,1089.92 ccw(c4878.58,1089.92) C19.1@4837.16,1048.5 ; 4820,1089.92 ccw(c4878.58,1089.92) C19.1@4837.16,1048.5 ; 4820,1089.92 ccw(c4878.58,1089.92) C19.1@4837.16,1048.5 ; 4820,1126.72 cw(c4868.28,1126.72) R14.2@4834.14,1160.86 ; 4820,1126.72 cw(c4868.28,1126.72) R14.2@4834.14,1160.86 ; 4820,1126.72 cw(c4868.28,1126.72) R14.2@4834.14,1160.86 ; 4820,1126.72 cw(c4868.28,1126.72) R14.2@4834.14,1160.86 ; 4820,1126.72 cw(c4868.28,1126.72) R14.2@4834.14,1160.86 ; 4820,1126.72 cw(c4868.28,1126.72) R14.2@4834.14,1160.86 ; 4820,1223.28 ccw(c4868.28,1223.28) R14.2@4834.14,1189.14 ; 4820,1223.28 ccw(c4868.28,1223.28) R14.2@4834.14,1189.14 ; 4820,1223.28 ccw(c4868.28,1223.28) R14.2@4834.14,1189.14 ; 4820,1223.28 ccw(c4868.28,1223.28) R14.2@4834.14,1189.14 ; 4820,1223.28 ccw(c4868.28,1223.28) R14.2@4834.14,1189.14 ; 4820,1223.28 ccw(c4868.28,1223.28) R14.2@4834.14,1189.14 ; 4820,1266.72 cw(c4868.28,1266.72) R13.1@4834.14,1300.86 ; 4820,1266.72 cw(c4868.28,1266.72) R13.1@4834.14,1300.86 ; 4820,1266.72 cw(c4868.28,1266.72) R13.1@4834.14,1300.86 ; 4820,1266.72 cw(c4868.28,1266.72) R13.1@4834.14,1300.86 ; 4820,1266.72 cw(c4868.28,1266.72) R13.1@4834.14,1300.86 ; 4820,1266.72 cw(c4868.28,1266.72) R13.1@4834.14,1300.86 ; v2@4822.6,976.35 cw(c4872.31,976.35) C19.1@4837.16,1011.5 ; v2@4822.6,976.35 cw(c4872.31,976.35) C19.1@4837.16,1011.5 ; v2@4822.6,976.35 cw(c4872.31,976.35) C19.1@4837.16,1011.5 ; v2@4822.6,976.35 cw(c4872.31,976.35) C19.1@4837.16,1011.5 ; v2@4822.6,976.35 cw(c4872.31,976.35) C19.1@4837.16,1011.5 ; v2@4822.6,976.35 cw(c4872.31,976.35) C19.1@4837.16,1011.5 ; C19.1@4822.6,1003.81 ccw(c4858.81,1003.81) v2@4833.21,978.21 ; C19.1@4822.6,1003.81 ccw(c4858.81,1003.81) v2@4833.21,978.21 ; C19.1@4822.6,1003.81 ccw(c4858.81,1003.81) v2@4833.21,978.21 ; C19.1@4822.6,1003.81 ccw(c4858.81,1003.81) v2@4833.21,978.21 ; C19.1@4822.6,1003.81 ccw(c4858.81,1003.81) v2@4833.21,978.21 ; C19.1@4822.6,1003.81 ccw(c4858.81,1003.81) v2@4833.21,978.21